# Altium PCB SDR.PcbDoc (part 2 of 5) (continued)
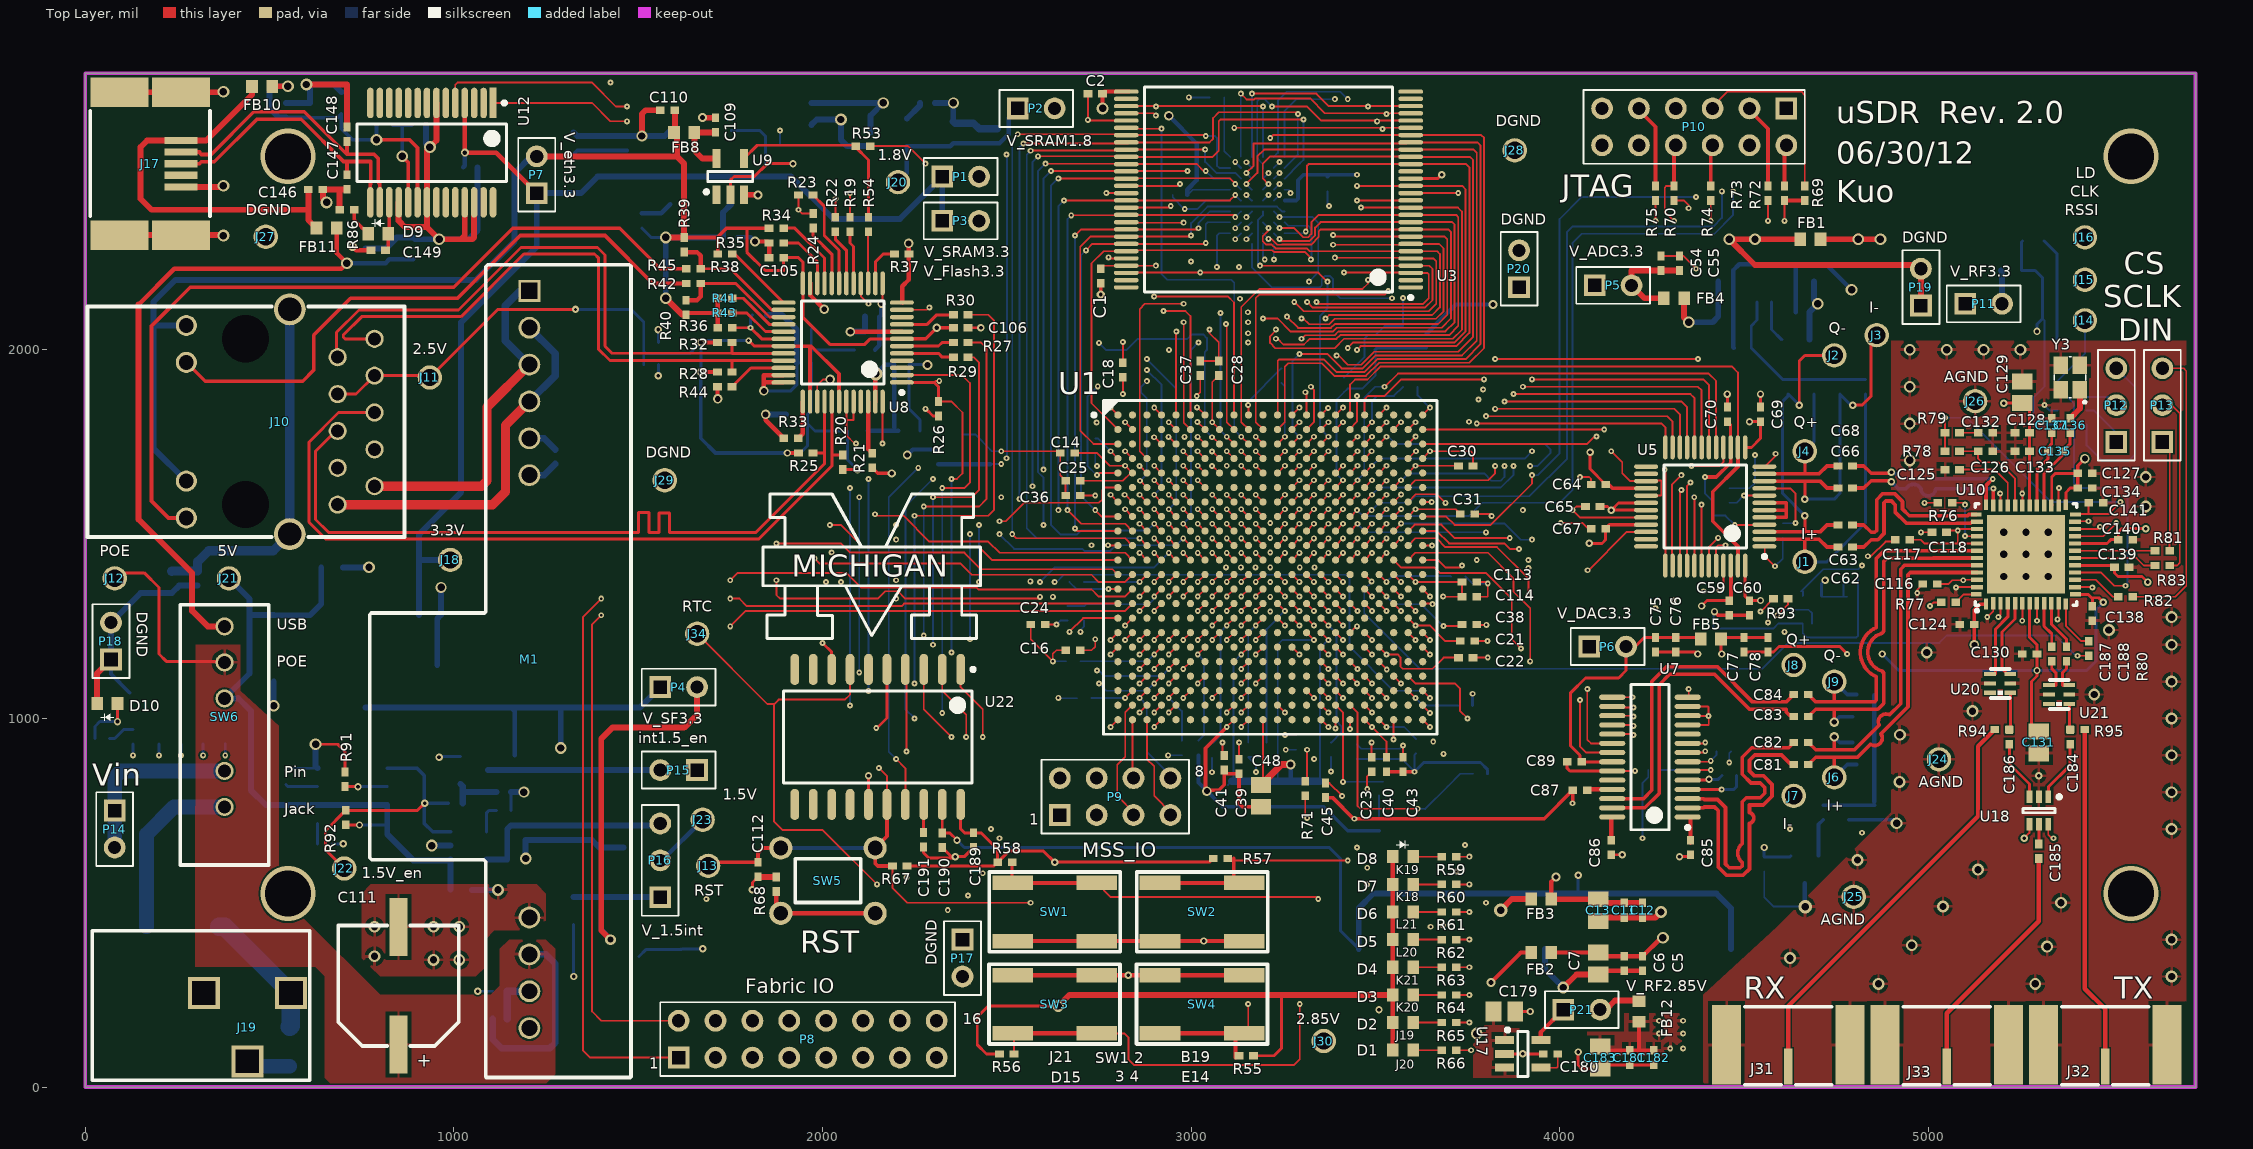
[diagram p0: Top Layer view]
## Nets (pads, with @x,y where several pads share a name; then routed paths per layer and width w, separated by ;. In a path a pad name is that pad's centre, name@x,y a point inside that pad or via, vN(x,y) a via of type N, cw(c..) or ccw(c..) an arc to the next point about the centre after c; other vN are vias at no path point) (continued)
  Bottom Layer w10: C44.1@3020,900.32 3020,826 v4(3043,803) 3085.53,760.47 C47.2@3100,760.47 C53.2@3250,760.47 C49.2@3360,760.47 3425.16,695.32 C72.1@3510,695.32 ; R12.2@4785,725.31 C80.1@4855,725.32 4904.69,725.31 v2(4914,716)
  Bottom Layer w12: C61.1@4472.44,2005 4470.47,2006.97 4470.47,2065 4470.47,2135 4470.47,2185 4470.47,2215.47 4487.56,2232.56 4690,2232.56 4722.44,2232.56 v2(4792,2163) ; U4.3@4640,2102.4 4640,2228.56 ; U6.3@4665,552.6 4665,490 v5(4666,489)
  Bottom Layer w16: J5.neg@3960,375 3960,320 v2(4010,270)
  other v2: 4865,280 5290,280 5660,300 4625,350 5322.28,381 4955,385 5660,400 5040,490 5360,500 5135,590 4808,616 5660,700 5660,800 4922,828 5660,900 4923,956 5660,1000 5120,1020 5450,1065 5660,1100 4996,1179 5660,1200 5490,1240 5660,1275 5590,1575 5590,1655 4950,1700 4950,1800 4950,1900 4950,2000 5050,2000 5150,2000 5250,2000
  other v3: 5300,845
  other v5: 5205,1385 5265,1385 5325,1385 5205,1445 5265,1445 5325,1445 5205,1505 5265,1505 5325,1505
B1: U1.D7 U10.23 | length 3795.7
  Top Layer w5: v1(3018,1725) 3037.72,1705.28 U1.D7@3037.83,1705.28 ; U10.23@5397.87,1533.58 5399.29,1535 v1(5435,1535)
  Mid-Layer 2 w5: v1(3018,1725) 3038,1745 3038,1956 3155,2073 v1(3155,2075)
  Mid-Layer 3 w5: v1(3155,2075) 3155,2081.06 3220.94,2147 3500.08,2147 3531.08,2178 3746,2178 3809,2241 3809,2397 3857.5,2445.5 4488.5,2445.5 4489,2445 5006,2445 5045,2406 5045,2083 5077,2051 5077,1696 5186,1587 5418,1587 5435,1570 v1(5435,1535)
B2: U1.E8 U10.11 | length 3813.5
  Top Layer w5: v1(3057,1685) 3058.11,1685 U1.E8@3077.2,1665.91 ; v1(5350.9,1269) 5353.58,1271.69 U10.11@5353.58,1312.13
  Mid-Layer 2 w5: v1(3057,1685) 3077,1705 3098.85,1705 3117,1723.15 3117,1982 v1(3155,2020) ; v1(5350.9,1269) v1@5350.9,1269.1
  Mid-Layer 3 w5: v1(3155,2020) 3205.5,2070.5 3281.42,2070.5 3282.42,2069.5 3690.5,2069.5 3840,2219 3840,2337 3871,2368 4893,2368 4920,2341 4920,2069 4985,2004 4985,1726 5130,1581 5130,1330 5149,1311 5340,1311 5350.9,1300.1 v1(5350.9,1269)
B3: U1.C4 U10.8 | length 6013.2
  Top Layer w5: v1(2900,1763) 2901.37,1763 U1.C4@2919.72,1744.65 ; U10.8@5294.53,1312.13 5294.53,1265.47 v1(5295,1265)
  Mid-Layer 3 w5: v1(2900,1763) 2882,1745 2633.94,1745 2519.5,1630.56 2519.5,1579.5 2538,1561 2538,1493 2519.5,1474.5 2519.5,89.5 2559,50 5088,50 5207,169 5207,1256 5234,1283 5277,1283 v1(5295,1265)
B4: U1.C5 U10.34 | length 3628
  Top Layer w5: v1(2939,1764) 2939.74,1764 U1.C5@2959.09,1744.65 ; v1(5195,1610) 5196.1,1608.9 U10.34@5196.1,1577.87
  Mid-Layer 2 w5: v1(2982,1764) 2982,1766 2999,1783 2999,1947 v1(3154,2102)
  Mid-Layer 3 w5: v1(2939,1764) v1(2982,1764) ; v1(3154,2102) 3209,2157 3495,2157 3532,2194 3735,2194 3792,2251 3792,2418 3842,2468 5138,2468 5159,2447 5159,2048 5173.5,2033.5 5173.5,1683.92 5195,1662.42 v1(5195,1610)
B5: U1.D8 U10.14 | length 3805.2
  Top Layer w5: v1(3057,1724) 3058.48,1724 U1.D8@3077.2,1705.28 ; U10.14@5397.87,1356.42 5443.58,1356.42 v1(5445,1355)
  Mid-Layer 2 w5: v1(3057,1724) 3077,1744 3077,1967 v1(3155,2045)
  Mid-Layer 3 w5: v1(3155,2045) 3179.5,2069.5 3179.5,2091.42 3193.58,2105.5 3702.5,2105.5 3827,2230 3827,2371 3855.5,2399.5 4891.5,2399.5 4938,2353 4938,2081 5026.5,1992.5 5026.5,1725.5 5180,1572 5377,1572 5395,1554 5395,1405 v1(5445,1355)
B6: U1.C7 U10.3 | length 5936.5
  Top Layer w5: v1(3018,1764) 3018.48,1764 U1.C7@3037.83,1744.65 ; v1(5190,1275) 5196.1,1281.1 U10.3@5196.1,1312.13
  Mid-Layer 3 w5: v1(3018,1764) 2999,1745 2999,1720 2984,1705 2608.08,1705 2554,1650.92 2554,1477 2540,1463 2540,111 2582,69 5061,69 5190,198 v1(5190,1275)
B7: U1.C8 U10.6 | length 6660.6
  Top Layer w5: v1(3057,1763) 3058.85,1763 U1.C8@3077.2,1744.65 ; v1(5255,1265) 5255.16,1265.16 U10.6@5255.16,1312.13
  Mid-Layer 3 w5: v1(2750,2019) 2731.5,2000.5 2731.5,1859.5 2506,1634 2506,1512.92 2499.5,1506.42 2499.5,62.5 2532,30 5117,30 5228,141 5228,1238 v1(5255,1265)
  Bottom Layer w5: v1(2750,2019) 2769,2000 2825,2000 2854,2029 2989,2029 3002,2042 3033,2042 3043,2032 3043,2000 3037,1994 3037,1783 v1(3057,1763)
BBS: C191.2 U22.18 | length 76.7
  Top Layer w8: C191.2@2274,690.69 2274,765.93 U22.18@2275,766.93
BYPASS: C125.1 U10.33 | length 207.3
  Top Layer w5: C125.1@5084.69,1675 5180,1675 5215.79,1639.21 U10.33@5215.79,1577.87
C\S\: R82.1 U10.15 | length 136.5
  Top Layer w5: U10.15@5397.87,1376.1 5453.9,1376.1 5500,1330 R82.1@5515.31,1330
CLK_50MHZ: R51.2 U1.E3 | length 2148.5
  Top Layer w5: v1(2860,1685) 2861.26,1685 U1.E3@2880.35,1665.91
  Mid-Layer 2 w5: v1(1885,2595) 1885,2695 1900,2710 2475,2710 2490,2695 2490,2540 v1@2499.5,2530.5 ; v1(2499.5,1706) 2500.5,1705 2840,1705 v1(2860,1685)
  Bottom Layer w5: R51.2@1884.69,2555 1885,2555.31 v1(1885,2595) ; v1(2499,2530) 2500.5,2528.5 2500.5,1707 v1(2499.5,1706)
CLKOUT: J15.1 U10.21 | length 859.4
  Top Layer w5: U10.21@5397.87,1494.21 5474.21,1494.21 v1(5510,1530)
  Mid-Layer 2 w5: J15.1@5425,2190 5380,2145 5380,1815 5470,1725 5470,1570 v1(5510,1530)
CPOUT: C141.2 R78.1 R79.2 U10.24 | length 826.9
  Top Layer w5: R78.1@5045.31,1725 R79.2@5045.31,1775 v1(5045.31,1815.68) ; U10.24@5399.84,1553.27 5401.57,1555 5435,1555 ; C141.2@5435.31,1585 5435,1584.68 5435,1555 ; v1(5521,1587) 5521,1586 5490,1555 5435,1555
  Bottom Layer w5: v1(5045.31,1815.68) 5104.31,1815.68 5333,1587 v1(5521,1587)
CREF1: C85.2 U7.1 | length 64.4
  Top Layer w12: C85.2@4355,662.56 C85.2@4355,669.69 U7.1@4355,727.01
CREF2: C86.2 U7.28 | length 64.4
  Top Layer w12: C86.2@4140.49,668.05 4140.49,669.69 U7.28@4140.49,732.5
DAC_CLK: U1.A18 U7.9 | length 2021.2
  Top Layer w5: U1.A18@3470.91,1823.39 3470.91,1865.91 3480,1875 3525,1875 3570,1920 v1(3795,1920) ; U7.9@4347.36,932.5 4392.5,932.5 v1(4395,935)
  Mid-Layer 3 w5: v1(3795,1920) 3825,1950 4000,1950 4018.5,1931.5 4018.5,991.5 4075,935 v1(4395,935)
DAC_D0: U1.E1 U7.14 | length 2918.2
  Top Layer w5: v1(2745,1660.5) 2750.41,1665.91 U1.E1@2801.61,1665.91 ; v1(3825,1975) v1(4375,1975) ; U7.14@4350,1057.97 v1(4350,1080)
  Mid-Layer 3 w5: v1(2747,1901) 2869,1901 2880,1890 3290,1890 3325,1925 3700,1925 3750,1975 v1(3825,1975) ; v1(4350,1080) 4350,1567.58 4349.5,1568.08 4349.5,1606.42 4375,1631.92 v1(4375,1975)
  Bottom Layer w5: v1(2745,1660.5) 2743.5,1660.5 2719,1685 2719,1873 v1(2747,1901)
DAC_D1: U1.F3 U7.15 | length 2651.5
  Top Layer w5: v1(2861.89,1645) U1.F3@2880.35,1626.54 ; U7.15@4140.49,1057.48 U7.15@4142.64,1057.5 v1(4197.48,1057.48)
  Mid-Layer 3 w5: v1(2880,1915) 3300,1915 3320.5,1935.5 3685.5,1935.5 3750,2000 4140,2000 4160,1980 4160,1250 4140,1230 4140,1114.96 v1(4197.48,1057.48)
  Bottom Layer w5: v1(2861.89,1645) 2880,1663.11 2880,1868.08 2864.5,1883.58 2864.5,1899.5 v1(2880,1915)
DAC_D2: U1.G4 U7.16 | length 2815.2
  Top Layer w5: v1(2900.04,1606.85) U1.G4@2919.72,1587.17 ; U7.16@4142.97,1030 v1(4200,1030)
  Mid-Layer 3 w5: v1(2880,1945) 2880.5,1945.5 3670.5,1945.5 3750,2025 4155,2025 4185,1995 4185,1250 4255,1180 4255,1085 v1(4200,1030)
  Bottom Layer w5: v1(2880,1945) 2920,1905 2920,1626.81 v1(2900.04,1606.85)
DAC_D3: U1.H5 U7.17 | length 2996.4
  Top Layer w5: v1(2939.41,1567.48) U1.H5@2959.09,1547.8 ; U7.17@4140.49,1007.48 U7.17@4142.64,1007.5 4197.52,1007.48 v1(4200,1005)
  Mid-Layer 3 w5: v1(2880,1975) 2950.86,1975 2970.36,1955.5 3655.5,1955.5 3750,2050 4170,2050 4205,2015 4205,1260 4280,1185 4280,1080 v1@4205,1005
  Bottom Layer w5: v1(2880,1975) 2960,1895 2960,1588.07 v1(2939.41,1567.48)
DAC_D4: U1.H6 U7.18 | length 3037.4
  Top Layer w5: v1(2978.78,1567.48) U1.H6@2998.46,1547.8 ; U7.18@4140.49,982.48 U7.18@4142.64,982.5 4197.52,982.48 v1(4200,980)
  Mid-Layer 2 w5: v1(2940,2000) 2960,1980 2960,1586.26 v1(2978.78,1567.48)
  Mid-Layer 3 w5: v1(2940,2000) 2974.5,1965.5 3640.5,1965.5 3750,2075 4185,2075 4225,2035 4225,1270 4300,1195 4300,1060 4220,980 v1(4200,980)
DAC_D5: U1.J6 U7.19 | length 3106.8
  Top Layer w5: v1(2978.78,1528.11) U1.J6@2998.46,1508.43 ; U7.19@4140.49,957.48 U7.19@4142.64,957.5 4197.52,957.48 v1(4200,955)
  Mid-Layer 3 w5: v1(3020,2020) 3035.5,2004.5 3397.42,2004.5 3421.92,1980 3630,1980 3750,2100 4200,2100 4245,2055 4245,1306.92 4240,1301.92 4240,1280 4320,1200 4320,1050 4225,955 v1(4200,955)
  Bottom Layer w5: v1(2978.78,1528.11) 3000,1549.33 3000,2000 v1(3020,2020)
DAC_D6: U1.B22 U7.20 | length 1422.8
  Top Layer w5: U1.B22@3628.39,1784.02 v1(4120.98,1784.02) ; v1(4075,1080) 4075,942.48 4085,932.48 U7.20@4140.49,932.48
  Mid-Layer 3 w5: v1(4075,1080) 4120.98,1125.98 v1(4120.98,1784.02)
DAC_D7: U1.C22 U7.21 | length 1443.4
  Top Layer w5: U1.C22@3628.39,1744.65 4075,1744.65 v1@4095.35,1765 ; v1(4055,1050) 4055,925 4072.52,907.48 U7.21@4140.49,907.48
  Mid-Layer 3 w5: v1(4055,1050) 4035,1070 4035,1255 4100,1320 v1(4100,1765)
DAC_DACEN: R17.1 U1.F1 | length 3187.1
  Top Layer w5: v1(2480,1535) 2496.92,1535 2546.92,1585 2750,1585 2760,1595 2760,1620 2766.54,1626.54 U1.F1@2801.61,1626.54
  Mid-Layer 2 w5: v1(2480,675) v1(4225,675)
  Mid-Layer 3 w5: v1(2480,675) 2480,1475.36 2460,1495.36 2460,1515 v1(2480,1535)
  Bottom Layer w5: v1(4225,675) 4225,825 4240.31,840.32 R17.1@4240.31,860
DAC_PD: R18.1 U1.G2 | length 3507.9
  Top Layer w5: v1(2820,1606.85) 2821.3,1606.85 U1.G2@2840.98,1587.17
  Mid-Layer 2 w5: v1(2457,700) 4445,700 4460,715 v1(4460,880.16) ; v1(2485,1600) 2495.5,1610.5 2699.5,1610.5 2720.5,1589.5 2802.65,1589.5 v1(2820,1606.85)
  Mid-Layer 3 w5: v1(2457,700) 2457,1484.22 2450,1491.22 2450,1565 v1(2485,1600)
  Bottom Layer w5: v1(4460,880.16) 4460,905.32 R18.1@4464.69,910
DAC_REFO: C87.2 U7.25 | length 70.4
  Top Layer w12: C87.2@4070.06,807.5 4074.69,807.5 U7.25@4140.49,807.5
DGND: C1.1 C2.1 C3.1 C4.1 C8.2 C9.1 C10.1 C14.1 C15.1 C16.1 C17.1 C18.1 C19.1 C20.1 C21.1 C22.1 C23.1 C24.1 C25.1 C26.1 C27.1 C28.1 C29.1 C30.1 C31.1 C32.1 C33.1 C34.1 C35.1 C36.1 C37.1 C38.1 C50.1 C51.1 C52.2 C54.1 C55.1 C59.2 C60.1 C64.1 C65.1 C67.1 C69.1 C70.1 C71.1 C75.1 C76.1 C89.2 C90.1 C91.1 C92.2 C93.1 C94.1 C95.1 C96.1 C97.2 C98.1 C99.1 C100.1 C101.2 C102.1 C103.1 C104.1 C105.1 C106.1 C107.1 C108.1 C109.1 C110.1 C111.- C112.1 C113.1 C114.1 C115.1 C119.1 C120.1 C142.1 C143.1 C144.1 C145.2 C146.1 C147.1 C148.1 C149.1 C150.1 C151.1 C152.2 C153.2 C154.1 C155.1 C156.1 C157.1 C158.1 C159.2 C160.2 C161.2 C162.1 C163.1 C164.1 C165.2 C166.2 C167.1 C168.1 C169.1 C170.1 C171.1 C172.1 C173.2 C174.1 C175.1 C176.2 C177.1 C178.1 C179.2 C180.1 C189.1 C190.1 C191.1 D10.2 FB1.2 J17.5 J17.6 J19.2 J19.3 J27.1 J28.1 J29.1 M1.7 P10.4 P10.5 P10.11 P10.12 P17.1 P17.2 P18.1 P18.2 P19.1 P19.2 P20.1 P20.2 Q1.2 R1.1 R9.1 R23.1 R24.1 R31.2 R33.2 R35.1 R37.1 R44.1 R46.1 R48.2 R68.1 R69.1 R70.1 R85.1 R86.1 R90.2 R91.1 SW1.2 SW1.4 SW2.2 SW2.4 SW3.2 SW3.4 SW4.2 SW4.4 U1.A1 U1.A4 U1.A7 U1.A10 U1.A13 U1.A16 U1.A19 U1.A22 U1.AB1 U1.AB4 U1.AB22 U1.B2 U1.B21 U1.C11 U1.D1 U1.D6 U1.D9 U1.D14 U1.D17 U1.D22 U1.E4 U1.E6 U1.E17 U1.E19 U1.F7 U1.F15 U1.G1 U1.G6 U1.G8 U1.G10 U1.G12 U1.G14 U1.G16 U1.G22 U1.H4 U1.H7 U1.H9 U1.H11 U1.H13 U1.H15 U1.H19 U1.J8 U1.J10 U1.J12 U1.J14 U1.J16 U1.K1 U1.K7 U1.K9 U1.K11 U1.K13 U1.K15 U1.K22 U1.L4 U1.L8 U1.L10 U1.L12 U1.L14 U1.L16 U1.L17 U1.M5 U1.M7 U1.M9 U1.M11 U1.M13 U1.M15 U1.M20 U1.N1 U1.N8 U1.N10 U1.N12 U1.N14 U1.N16 U1.N20 U1.N22 U1.P3 U1.P4 U1.P7 U1.P9 U1.P11 U1.P13 U1.P15 U1.P19 U1.R8 U1.R10 U1.R12 U1.R14 U1.T1 U1.T5 U1.T18 U1.T22 U1.U1 U1.U22 U1.V6 U1.V17 U1.W3 U1.W20 U2.D1 U2.E6 U2.J2 U2.J3 U3.33 U3.52 U5.1 U5.12 U5.16 U5.27 U5.29 U5.32 U5.34 U5.45 U7.8 U7.11 U7.12 U7.13 U7.23 U8.8 U8.12 U8.23 U8.35 U8.36 U8.39 U8.43 U8.44 U9.3 U12.7 U12.18 U12.21 U12.25 U12.26 U13.1 U14.2 U14.3 U15.2 U16.4 U17.2 U19.3 U22.5 U22.8 U22.15 Y2.2 | length 21647.7
  Top Layer w5: R23.1@1935,2419.69 v1(1935,2380) 1945.32,2369.68 R24.1@1975,2369.68 ; U8.39@1986.1,1858.58 U8.39@1986.1,1859.57 1986.1,1904.1 2002,1920 v4(2021,1920) ; U8.43@2064.84,1858.58 2064.84,1811.84 ; U8.44@2084.53,1858.58 2084.53,1809.47 2067.21,1809.47 2064.84,1811.84 ; v1(2091,1746) 2087,1746 2064.84,1768.16 2064.84,1811.84 ; v1(2485,1725) C14.1@2640.32,1725 ; C24.1@2565.32,1255 2565.32,1214.68 v1(2625,1155) 2625,1175 2635,1185 C16.1@2660.32,1185 ; C14.1@2645.32,1720 2645.32,1660 C25.1@2659.82,1645.5 ; C36.1@2660.32,1605 2659.82,1605.5 2659.82,1645 C25.1@2659.82,1645.5 ; C25.1@2660.32,1645 C25.1@2659.82,1645.5 ; C2.1@2720,2694.69 v1(2720,2624) 2721.99,2622.01 U3.33@2824.17,2622.01 U3.33@2832.05,2622.01 ; v1(2775.95,1350.94) U1.N1@2801.61,1350.94 ; v1@2775.94,1469.06 U1.K1@2801.61,1469.06 ; v1(2776,2251) 2779.01,2247.99 U3.52@2824.17,2247.99 U3.52@2832.05,2247.99 ; v1(2781.93,976.93) U1.AB1@2801.61,996.61 ; v1(2781.93,1173.78) U1.U1@2801.61,1193.46 ; v1(2781.93,1213.15) U1.T1@2801.61,1232.83 ; v1(2781.93,1606.85) U1.G1@2801.61,1587.17 ; v1(2781.93,1724.96) U1.D1@2801.61,1705.28 ; v1(2781.93,1843.07) U1.A1@2801.61,1823.39 ; C18.1@2815,1964.68 v1(2815,2021) ; v1(2821.3,1803.7) U1.B2@2840.98,1784.02 ; v1(2860.67,1095.04) U1.W3@2880.35,1114.72 ; v1(2860.67,1291.89) U1.P3@2880.35,1311.57 ; v1(2900.04,976.93) U1.AB4@2919.72,996.61 ; v1(2900.04,1291.89) U1.P4@2919.72,1311.57 ; v1(2900.04,1449.37) U1.L4@2919.72,1429.69 ; v1(2900.04,1567.48) U1.H4@2919.72,1547.8 ; v1(2900.04,1685.59) U1.E4@2919.72,1665.91 ; v1(2900.04,1843.07) U1.A4@2919.72,1823.39 ; v1(2939.41,1213.15) U1.T5@2959.09,1232.83 ; v1(2939.41,1370.63) U1.M5@2959.09,1390.32 ; v1(2978.78,1134.41) U1.V6@2998.46,1154.09 ; v1(2978.78,1606.85) U1.G6@2998.46,1587.17 ; v1(2978.78,1685.59) U1.E6@2998.46,1665.91 ; v1(2978.78,1724.96) U1.D6@2998.46,1705.28 ; v1(3016,1844) 3017.22,1844 U1.A7@3037.83,1823.39 ; v1(3018.15,1291.89) U1.P7@3037.83,1311.57 ; v1(3018.15,1370.63) U1.M7@3037.83,1390.32 ; v1(3018.15,1488.74) U1.K7@3037.83,1469.06 ; v1(3018.15,1567.48) U1.H7@3037.83,1547.8 ; v1(3018.15,1646.22) U1.F7@3037.83,1626.54 ; C37.1@3025,1969.68 C28.1@3075,1969.68 3075,2020 3050,2045 v1(3050,2055) ; v1(3057.52,1252.52) U1.R8@3077.2,1272.2 ; v1(3057.52,1331.26) U1.N8@3077.2,1350.94 ; v1(3057.52,1449.37) U1.L8@3077.2,1429.69 ; v1(3057.52,1528.11) U1.J8@3077.2,1508.43 ; v1(3057.52,1606.85) U1.G8@3077.2,1587.17 ; v1(3096.89,1291.89) U1.P9@3116.57,1311.57 ; v1(3096.89,1370.63) U1.M9@3116.57,1390.32 ; v1(3096.89,1488.74) U1.K9@3116.57,1469.06 ; v1(3096.89,1567.48) U1.H9@3116.57,1547.8 ; v1(3096.89,1724.96) U1.D9@3116.57,1705.28 ; v1(3136.26,1252.52) U1.R10@3155.94,1272.2 ; v1(3136.26,1331.26) U1.N10@3155.94,1350.94 ; v1(3136.26,1449.37) U1.L10@3155.94,1429.69 ; v1(3136.26,1528.11) U1.J10@3155.94,1508.43 ; v1(3136.26,1606.85) U1.G10@3155.94,1587.17 ; U1.A10@3155.94,1823.39 v1@3155.94,1849.06 ; v1(3175.63,1291.89) U1.P11@3195.32,1311.57 ; v1(3175.63,1370.63) U1.M11@3195.32,1390.32 ; v1(3175.63,1488.74) U1.K11@3195.32,1469.06 ; v1(3175.63,1567.48) U1.H11@3195.32,1547.8 ; v1(3175.63,1764.33) U1.C11@3195.32,1744.65 ; U1.R12@3234.69,1272.2 v1(3254.37,1252.52) ; U1.N12@3234.69,1350.94 v1(3254.37,1331.26) ; U1.L12@3234.69,1429.69 v1(3254.37,1449.37) ; U1.J12@3234.69,1508.43 v1(3254.37,1528.11) ; U1.G12@3234.69,1587.17 v1(3254.37,1606.85) ; U1.P13@3274.06,1311.57 v1(3293.74,1291.89) ; U1.M13@3274.06,1390.32 v1(3293.74,1370.63) ; U1.K13@3274.06,1469.06 v1(3293.74,1488.74) ; U1.H13@3274.06,1547.8 v1(3293.74,1567.48) ; U1.A13@3274.06,1823.39 v1(3293.74,1843.07) ; U1.R14@3313.43,1272.2 v1(3333.11,1252.52) ; U1.N14@3313.43,1350.94 v1(3333.11,1331.26) ; U1.L14@3313.43,1429.69 v1(3333.11,1449.37) ; U1.J14@3313.43,1508.43 v1(3333.11,1528.11) ; U1.G14@3313.43,1587.17 v1(3333.11,1606.85) ; U1.D14@3313.43,1705.28 v1(3333.11,1724.96) ; U1.P15@3352.8,1311.57 v1(3372.48,1291.89) ; U1.M15@3352.8,1390.32 v1(3372.48,1370.63) ; U1.K15@3352.8,1469.06 v1(3372.48,1488.74) ; U1.H15@3352.8,1547.8 v1(3372.48,1567.48) ; U1.F15@3352.8,1626.54 v1(3372.48,1646.22) ; U1.N16@3392.17,1350.94 v1(3411.85,1331.26) ; U1.L16@3392.17,1429.69 v1(3411.85,1449.37) ; U1.J16@3392.17,1508.43 v1(3411.85,1528.11) ; U1.G16@3392.17,1587.17 v1(3411.85,1606.85) ; U1.A16@3392.17,1823.39 v1(3411.85,1843.07) ; U1.V17@3431.54,1154.09 v1(3451.22,1134.41) ; U1.L17@3431.54,1429.69 v1(3451.22,1449.37) ; U1.E17@3431.54,1665.91 v1(3451.22,1685.59) ; U1.D17@3431.54,1705.28 v1(3451.22,1724.96) ; U1.T18@3470.91,1232.83 v1(3490.59,1213.15) ; v1(3478,809) 3477,810 3477,842.32 C23.1@3490,855.32 ; U1.P19@3510.28,1311.57 v1(3529.96,1291.89) ; U1.H19@3510.28,1547.8 v1(3529.96,1567.48) ; U1.E19@3510.28,1665.91 v1(3529.96,1685.59) ; U1.A19@3510.28,1823.39 v1(3529.96,1843.07) ; U1.W20@3549.65,1114.72 v1(3569.33,1095.04) ; U1.N20@3549.65,1350.94 v1(3569.33,1331.26) ; U1.M20@3549.65,1390.32 v1(3569.33,1370.63) ; U1.B21@3589.02,1784.02 v1(3608.7,1803.7) ; U1.AB22@3628.39,996.61 v1(3648.07,976.93) ; U1.U22@3628.39,1193.46 v1(3648.07,1173.78) ; U1.T22@3628.39,1232.83 v1(3648.07,1213.15) ; U1.N22@3628.39,1350.94 v1(3648.07,1331.26) ; U1.K22@3628.39,1469.06 v1(3654.06,1469.06) ; U1.G22@3628.39,1587.17 v1(3652.83,1587.17) ; U1.D22@3628.39,1705.28 v1(3648.07,1724.96) 3759.04,1724.96 3764.68,1719.32 C30.1@3764.68,1685 ; U1.A22@3628.39,1823.39 v1(3648.07,1843.07) ; C22.1@3769.68,1170 C22.1@3764.68,1165 v1(3805,1165) ; C21.1@3769.68,1210 v1(3804,1210) ; C38.1@3769.68,1250 3773.69,1254 3774.68,1254 v1(3801,1254) ; C31.1@3769.68,1555 3810,1555 v1(3815.5,1549.5) ; C114.1@3774.68,1330 3805,1330 v1(3805,1366) 3801,1370 C113.1@3774.68,1370 ; v1(4003,1530) 4062.44,1530 C67.1@4077.44,1515 ; v1(4055,1655) 4080,1655 4085.31,1649.68 C64.1@4085.31,1635 ; C65.1@4070.31,1575 4045,1575 v1(4035,1565) 4054.53,1545.47 U5.32@4233.58,1545.47 ; C65.1@4073.44,1571 4073.88,1571.44 C65.1@4077.44,1575 ; v1(4076,1402) 4077,1401 4182.1,1506.1 U5.34@4233.58,1506.1 ; v1(4140,1725) 4170,1695 4170,1665 4191.1,1643.9 4233.58,1643.9 4234.07,1644.39 4235.21,1645.53 4275.47,1645.53 4275.47,1604.53 U5.29@4234.57,1604.53 U5.29@4233.58,1604.53 ; U7.23@4142.64,857.5 4203.5,857.5 v1(4204,858) ; C54.1@4275,2254.68 C55.1@4325,2254.68 4335.31,2254.68 v1(4370,2220) ; R70.1@4310,2405.32 4336.69,2405.32 4350,2392 v1(4350,2384) ; U7.8@4349.51,907.48 4391.48,907.48 v1(4395,911) ; U7.11@4349.51,982.48 4404.52,982.48 4404.52,1006.48 v1(4404,1007) ; U7.13@4349.51,1032.48 4402.52,1032.48 4404,1031 v1(4404,1007) ; U7.12@4349.99,1007 v1(4404,1007) ; v1(4358,1685) 4434,1685 4444.21,1695.21 U5.16@4444.21,1735.43 U5.16@4444.21,1736.42 ; P10.5@4410,2655 4412.5,2657.5 4456,2701 4655,2701 4665,2691 R69.1@4665,2444.68 ; v1(4434,1347) 4444.21,1357.21 U5.45@4444.21,1413.58 ; U5.1@4556.42,1466.73 4556.42,1440.42 v1(4584,1412.83) ; U5.12@4556.42,1683.27 4586,1712.85 v1(4586,1718)
  Top Layer w8: v2(625,930) 685,930 705,910 R91.1@705,854.68 ; v3(1810,535) 1810,555.32 C112.1@1825,570.32 ; v1(2000,1205) 2025,1180 U22.8@2025,1133.07 ; U22.15@2125,766.93 v3(2125,845) ; v1(2146,974) 2148,974 2175,1001 U22.5@2175,1133.07 ; C191.1@2274,651.32 2274,636 2288,622 2357,622 v3(2360,625) ; C190.1@2325,650 2350,625 v3(2360,625) ; C106.1@2394.68,2060 v3(2430,2060) ; C189.1@2410,650.32 2384.68,625 v3(2360,625) ; U17.2@3850.79,90 v3(3900,90) C180.1@3955.32,90 ; C179.2@3879.53,205 v3(3920,205) ; C89.2@4020.31,882.5 4020.31,864.69 4027.5,857.5 U7.23@4142.64,857.5 ; C75.1@4260,1180.32 C76.1@4315,1180.32 4369.69,1180.32 v3(4375,1175) ; C70.1@4455,1844.68 v3(4455,1880) ; C69.1@4545,1844.68 v3(4545,1880)
  Top Layer w10: v13(2755,2150) C1.1@2755,2180.32 ; v3(4420,1290) 4429.69,1280.32 C59.2@4460,1280.31 C60.1@4515,1280.32
  Top Layer w12: v6(725,2280) 735,2270 C149.1@775.32,2270 ; R44.1@1715.32,1900 1715.32,1867.68 v4(1716,1867) ; v4(1817,2294) 1851.32,2294 R35.1@1855.32,2290 C105.1@1855.32,2250 ; v4(1841.27,1888.73) 1841.27,1911.73 ; v4(1846,1825) 1846,1809.32 R33.2@1895.31,1760 ; U8.36@1893.58,1911.73 1841.27,1911.73 ; U8.35@1893.58,1931.42 1841.42,1931.42 1841.27,1931.27 1841.27,1911.73 ; U8.23@1966.42,2181.42 U8.23@1966.42,2180.43 1966.42,2148.58 v4(2005,2110) ; v4(2076,2049) 2215.43,2049 U8.8@2215.89,2049 ; U8.12@2216.42,2128.27 2216.42,2172.42 2234.68,2190.68 R37.1@2234.68,2260 2234,2260.68 v4(2234,2289) ; SW3.4@2515.83,303.74 SW3.2@2744.17,303.74 v3(2829.74,303.74) SW4.4@2915.83,303.74 SW4.2@3144.17,303.74 ; SW1.2@2515.83,396.26 SW1.4@2744.17,396.26 SW2.2@2915.83,396.26 v3(3034.74,396.26) SW2.4@3144.17,396.26
  Top Layer w16: D10.2@32.44,1040 32.44,1122.44 P18.1@70,1160 ; J17.6@92.68,2311.1 J17.6@260,2311.1 373.9,2311.1 v2(375,2310) ; J17.6@92.68,2698.9 J17.6@260,2698.9 373.9,2698.9 v2(375,2700) ; J17.5@260,2442.01 372.01,2442.01 v2(375,2445) ; v2(600,2720) 710,2720 C148.1@710,2604.68 ; C146.1@645,2435.31 C146.1@644.68,2435 ; v2(655,2400) 644.68,2410.32 C146.1@644.68,2435 ; R86.1@690.32,2380 690.32,2434.68 690,2435 ; C147.1@710,2435.32 709.68,2435 690,2435 ; U12.18@850.43,2400.16 850.43,2350.16 867.8,2332.8 927.2,2332.8 ; U12.7@952.8,2669.84 952.8,2567.8 v2(935,2550) 927.2,2542.2 U12.21@927.2,2400.16 927.2,2332.8 ; U12.25@1029.57,2400.16 1029.57,2309.57 1020,2300 ; U12.26@1055.16,2400.16 1055.16,2305.16 1050,2300 1020,2300 ; v8(1510,2580) 1510,2640 1520,2650 C110.1@1560.32,2650 ; v6(1675,2630) 1675.32,2629.68 C109.1@1710,2629.68 ; U9.3@1787.4,2420.79 1824.21,2420.79 v6(1825,2420) ; C112.1@1825,570.32 1874.37,570.32 R68.1@1875,569.68 ; FB1.2@4652.44,2300 v2(4530,2300) v2(4460,2300) 4530,2230 4970,2230 P19.2@4980,2220 P19.1@4980,2120 ; C146.1@644.68,2435 690,2435 ; 927.2,2332.8 v2(960,2300) 1020,2300
  Mid-Layer 1 w5: v1(2860.67,1095.04) 2880.63,1115 2959.37,1115 v1(2978.78,1134.41) ; v1(2938,900) 2958,880 2981,880 3007,854 v1(3057,854) 3058,855 v1(3176,855) 3184,847 3371,847 v1(3380,856) 3431,856 v1(3478,809) v1(3478,595) ; v1(3451.22,1134.41) 3451.22,1173.78 v1(3490.59,1213.15) 3546.85,1213.15 3566.7,1233 3628.22,1233 v1(3648.07,1213.15) ; v1(3648.07,976.93) 3569.33,1055.67 v1(3569.33,1095.04) 3569.33,1165.33 3577.78,1173.78 v1(3648.07,1173.78)
  Mid-Layer 2 w5: v1@3174,853 v1(3176,855)
  Mid-Layer 2 w8: v1(3764,1067) 3805,1108 v1(3805,1165)
  Bottom Layer w5: C8.2@2380,1770.43 2385,1770.43 2414.25,1770.43 C9.1@2455,1729.68 2459.68,1725 v1(2485,1725) ; v1(2625,1155) C27.1@2660.32,1155 ; v1(2640,1056) 2641,1055 C17.1@2690.32,1055 ; C26.1@2670.32,1370 2689.37,1350.94 v1(2775.95,1350.94) ; v1(2700,1235) 2700,1240 2710,1250 C71.1@2710,1265.32 ; C10.1@2740,1759.68 C10.1@2745,1759.68 2747.2,1759.68 v1(2781.93,1724.96) ; v1(2938,900) 2938.31,900.31 C15.1@2975,900.32 ; C4.1@2950.32,2420 2950.32,2413.68 2982,2382 v1(2983,2382) 3017,2382 3040,2405 U2.E6@3106.18,2405 ; v1(2994,2685) R1.1@3050.32,2685 ; v1(3057,854) C32.1@3057,892.31 ; v1(3155,1850) 3155,1859.69 C19.1@3245,1949.68 ; v1(3176,855) 3176,874.32 C33.1@3155,895.32 C34.1@3205,895.32 ; v1@3194.76,2250.24 U2.J3@3194.76,2286.89 ; v1@3224.29,2245.71 U2.J2@3224.29,2286.89 ; U2.D1@3253.82,2434.53 3265.47,2434.53 3270,2430 v1(3270,2425) ; C3.1@3370,2430.32 3370,2394 v1(3374,2390) ; v1(3380,856) C35.1@3380,895.32 ; C50.1@3415,1924.68 3471,1980.69 3471,2031 3479.68,2039.68 C51.1@3500,2039.68 3524.84,2064.53 C52.2@3575,2064.53 v1(3575,2141) ; C29.1@3614.68,1900 3614.68,1876.46 v1(3648.07,1843.07) ; C115.1@3744.68,1385 3763.69,1366 v1(3805,1366) ; v3(4420,1290) 4417,1287 4417,1245 4417.5,1244.5 4580.5,1244.5 4593.6,1257.6 U19.3@4659.41,1257.6 4659.41,1230.59 4670,1220 4805,1220 4809.69,1224.68 C120.1@4809.69,1330 C119.1@4809.69,1380 ; v1(4584,1412.83) 4605,1433.83 R9.1@4605,1490.32
  Bottom Layer w8: v1(130,900) C172.1@130,930.32 ; v1(200,900) C171.1@200,930.32 ; v1(260,900) C170.1@260,930.32 ; v1(320,900) C169.1@320,930.32 ; v1(380,900) C168.1@380,930.32 ; C178.1@545,859.68 550.31,865 U16.4@630.51,865 ; C177.1@669.68,660 v3(700,660) ; v3(960,895) 962.4,897.4 Q1.2@1017.6,897.4 ; v3(1065,260) R48.2@1105.31,260 ; C167.1@1154.68,750 R90.2@1154.69,800 ; C176.2@1502.44,353.98 1522.28,373.82 C175.1@1567.44,373.82 C174.1@1617.44,373.82 1618.62,375 v3(1675,375) ; C93.1@1554.68,1960 1554.68,1930.32 v3(1555,1930) ; C94.1@1554.68,2020 1554.68,2054.68 v3(1555,2055) ; v4(1841.27,1888.73) 1914.05,1888.73 C104.1@1930.32,1905 1930.63,1905.31 C102.1@1930.63,1965 ; C97.2@2264.53,1780 2264.53,1810.16 C100.1@2234.68,1840 C99.1@2234.68,1905 C98.1@2234.68,1960 2284,1960 v4(2285,1959) ; C20.1@3763.68,1035 3763.68,1066.68 v1(3764,1067)
  Bottom Layer w10: P18.1@70,1160 70,1120.47 C173.2@120.47,1070
  Bottom Layer w12: C108.1@1769.68,2305 1806,2305 v4(1817,2294)
  Bottom Layer w16: P18.1@70,1160 P18.2@70,1260 150.47,1340.47 R46.1@235,1340.47 254.84,1360.32 C107.1@305,1360.32 ; v2(511.5,1034.5) U13.1@511.5,1100.5 ; C143.1@545,2669.68 C144.1@610,2669.68 610,2710 v2(600,2720) 674.53,2720 C145.2@695,2699.53 ; v2(625,930) 625,870.51 U16.4@630.51,865 ; C153.2@699.53,1410 v2(770,1410) ; C158.1@760,2274.68 C157.1@815,2274.68 844.84,2304.53 C161.2@890,2304.53 894.53,2300 v2(960,2300) 1040,2300 1064.68,2324.68 C142.1@1064.68,2495 ; R85.1@924.68,2610 924.68,2560.32 v2(935,2550) ; v2(940,655) U15.2@990.79,655 ; C151.1@955.18,1145.5 C150.1@955.18,1205.5 955.18,1270.66 C152.2@965.03,1280.5 965.5,1280.97 v8(965.5,1355.5) ; C165.2@1049.53,535 v2(1120,535) ; R90.2@1154.69,800 v8(1190,800) ; v2(1195,620) C163.1@1195,670.32 C164.1@1375,670.32 1394.84,650.47 C166.2@1460,650.47 ; C92.2@1325,2589.84 1334.84,2580 C90.1@1400,2580 C91.1@1470,2580 v8(1510,2580) 1572.32,2580 Y2.2@1587.32,2595 ; v4(1846,1825) C101.2@1900.79,1825 ; R31.2@1849.69,2095 1890.32,2095 C103.1@1930.32,2055 1930.32,1965.31 C102.1@1930.63,1965 ; C159.2@1970,2669.53 v8@2164.53,2669.53 ; v4(2076,2049) 2077,2050 C95.1@2115.32,2050 C96.1@2115.32,2090 ; U14.2@2130.79,2590 U14.3@2130.79,2627.4 2130.79,2635.79 v8@2164.53,2669.53 ; v8(2165,2670) v8@2164.53,2669.53 ; C162.1@2304.68,2670 v8(2355,2670) C160.2@2355,2619.53
  Bottom Layer w20: C160.2@2355,2619.53 2359.53,2615 2409.68,2615 C155.1@2425,2599.68 C156.1@2475,2599.68
  Bottom Layer w40: J19.3@440,69.96 453.11,56.85 C154.1@555,56.85
  other v1: 3335,1410 2775,1470 3200,2245 3225,2245
  other v2: 945,345 1015,345 785,355 785,435 945,435 1015,435
  other v9: 550,525 550,2525
DIN: R81.1 U10.19 | length 217.5
  Top Layer w5: U10.19@5397.87,1454.84 5615.16,1454.84 R81.1@5615.31,1455
DPLX: R41.1 U8.28 | length 167.9
  Top Layer w8: R41.1@1755,2140 1785,2140 1855.79,2069.21 U8.28@1893.58,2069.21
EMC_AB1: U1.A9 U2.A3 U3.31 | length 1554.8
  Top Layer w5: U3.31@2832.05,2661.38 2905,2661.38 3193.62,2661.38 v1(3195,2660) ; v1(2900,2145) 3100,2145 3116.57,2128.43 U1.A9@3116.57,1823.39
  Mid-Layer 2 w5: v1(2900,2145) 2889,2156 2889,2644 v1(2905,2660)
  Bottom Layer w5: U2.A3@3195,2523.35 v1(3195,2660)
EMC_AB2: U1.B10 U2.A4 U3.26 | length 1799.4
  Top Layer w5: U1.B10@3155.94,1784.02 3136.26,1803.7 3136.26,2116.26 3185,2165 3465,2165 3480,2180 v1(3480,2190) ; v1(3165,2695) 3340,2695 3373.62,2661.38 3480,2661.38 U3.26@3587.95,2661.38
  Mid-Layer 2 w5: v1(3480,2190) v1(3480,2660)
  Bottom Layer w5: v1(3165,2695) 3165,2685 3165.24,2684.76 U2.A4@3165.24,2523.11